# KiCad board atari.kicad_pcb
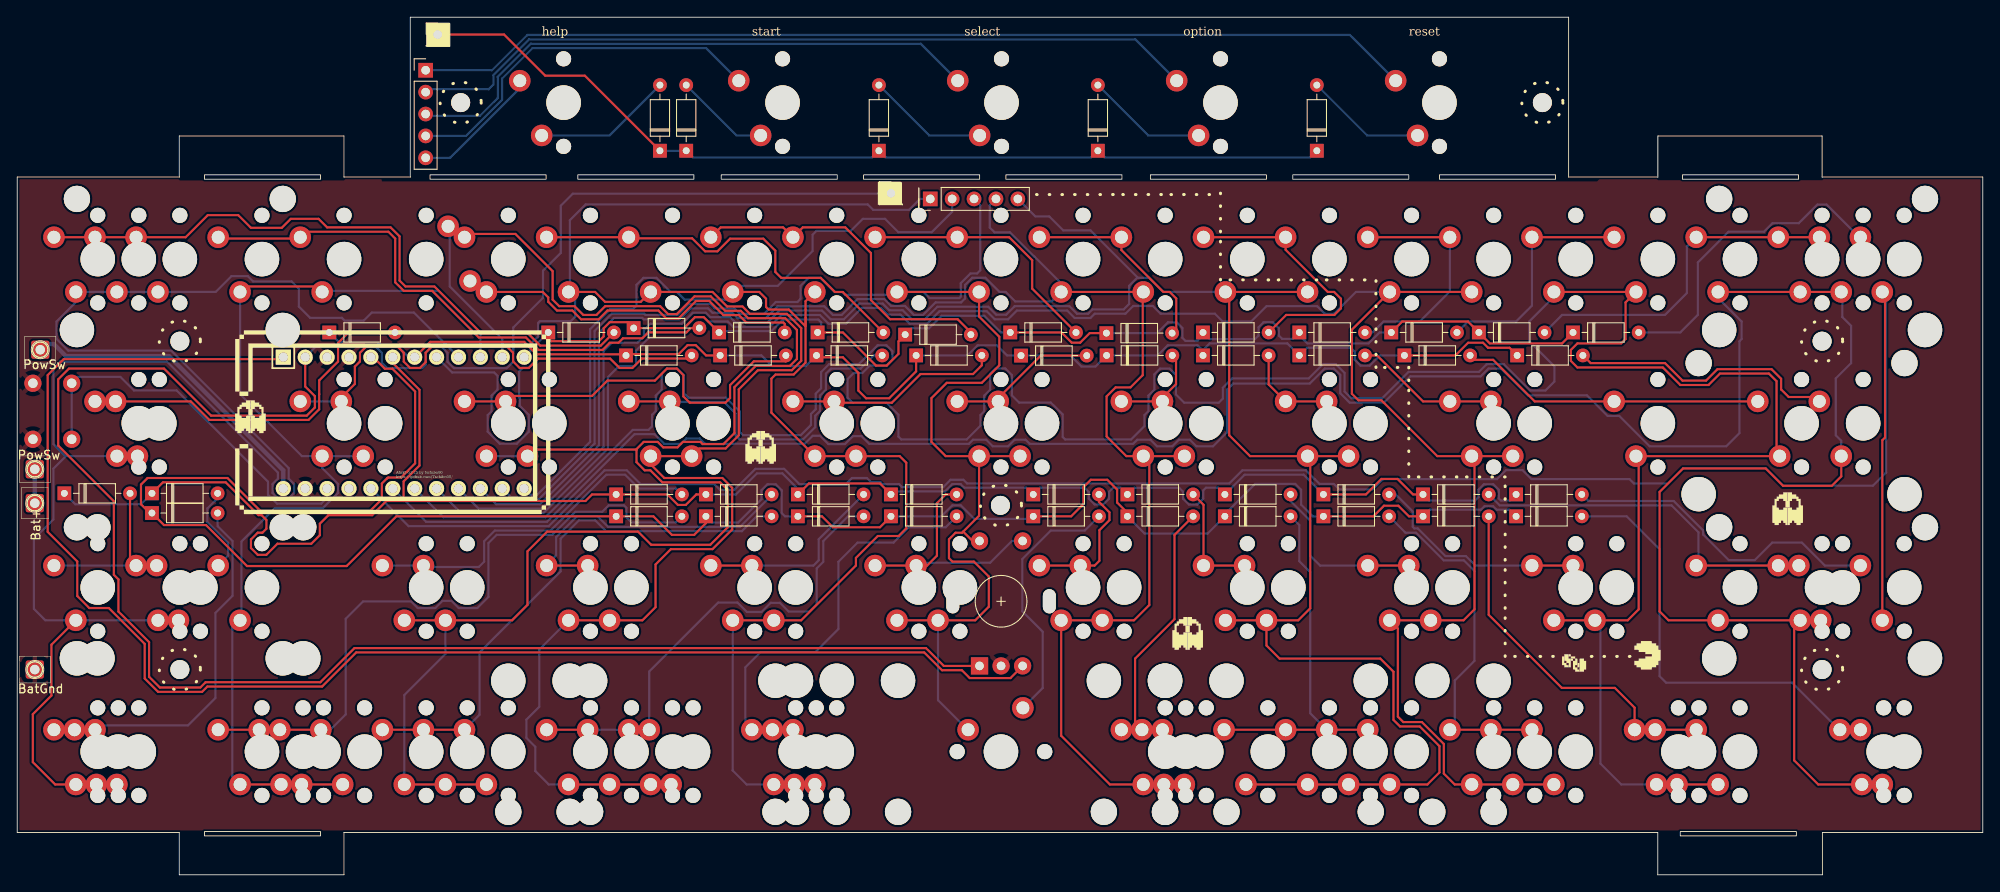
[diagram p0: board, top side]
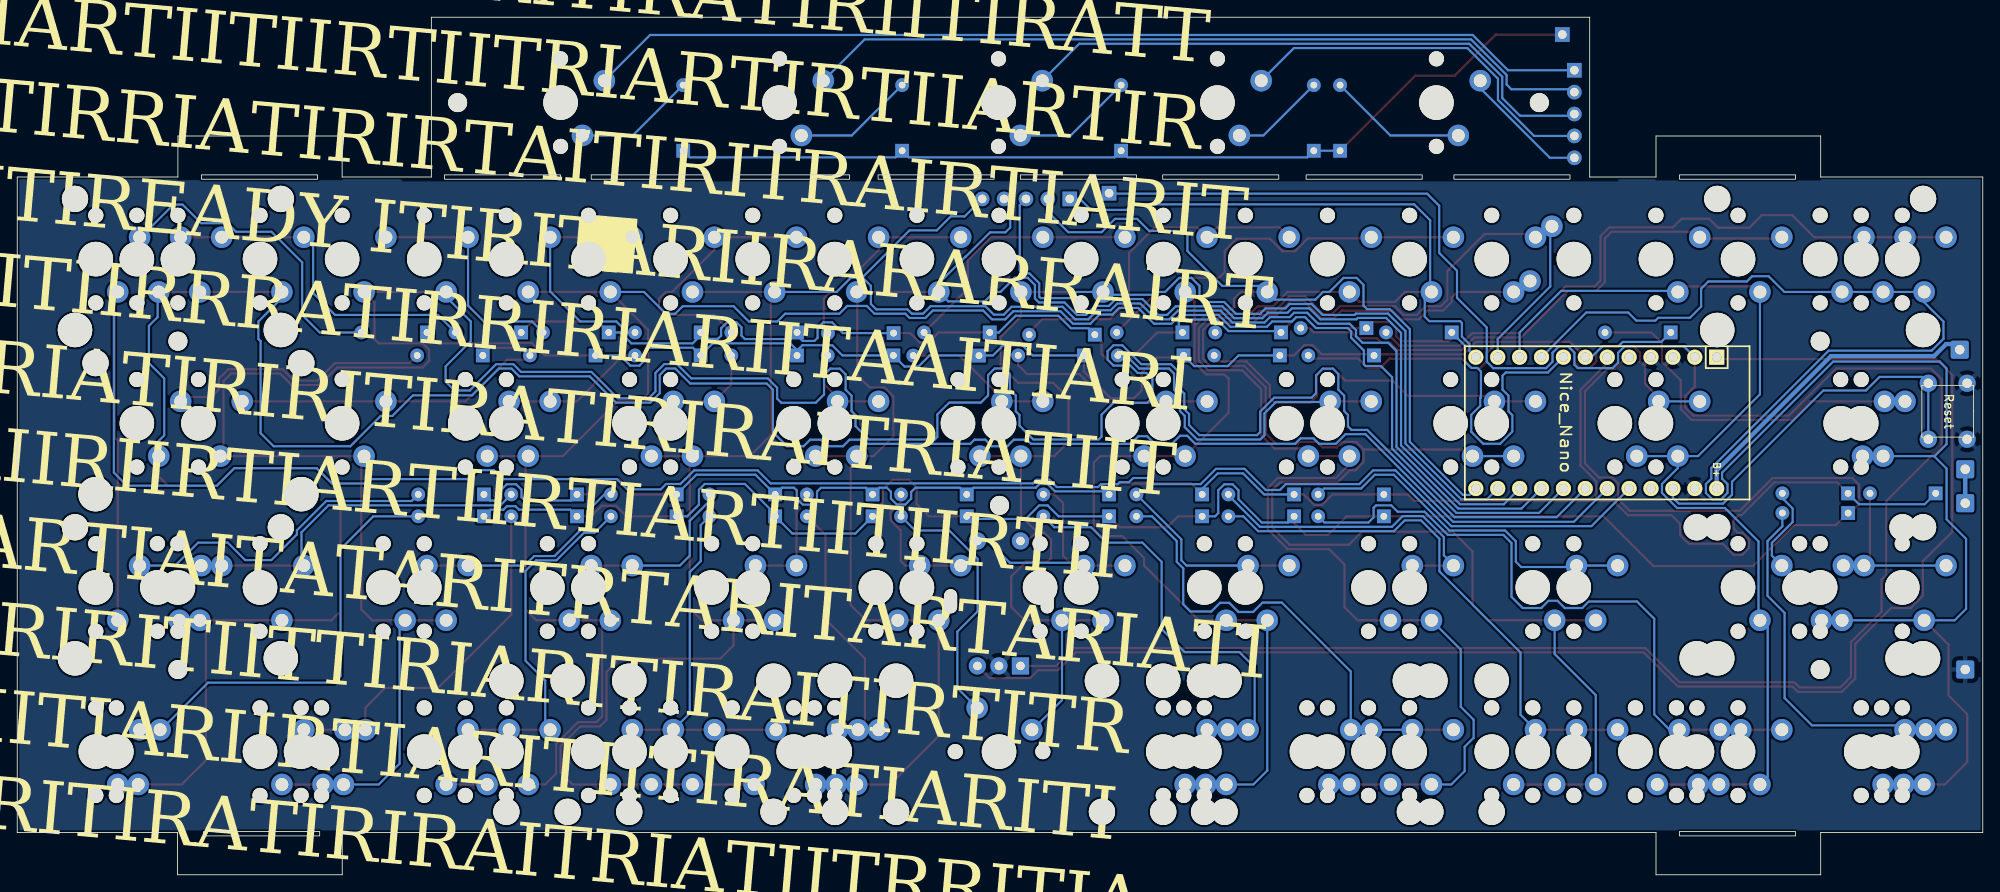
[diagram p1: board, bottom side, seen from below]

Outline 228 x 99.5 mm; copper layers: Top, Bottom. Coordinates in mm from the lower left corner of the outline.
Outline path: 21.72,81.22 35.18,81.22 35.18,80.71 21.72,80.71 closed ; 21.72,5.02 35.18,5.02 35.18,4.51 21.72,4.51 closed ; 47.88,81.22 61.34,81.22 61.34,80.71 47.88,80.71 closed ; 65.03,81.22 78.49,81.22 78.49,80.71 65.03,80.71 closed ; 81.66,81.22 95.13,81.22 95.13,80.71 81.66,80.71 closed ; 98.17,81.22 111.64,81.22 111.64,80.71 98.17,80.71 closed ; 114.68,81.22 128.15,81.22 128.15,80.71 114.68,80.71 closed ; 131.45,81.22 144.91,81.22 144.91,80.71 131.45,80.71 closed ; 147.96,81.22 161.42,81.22 161.42,80.71 147.96,80.71 closed ; 164.98,81.22 178.44,81.22 178.44,80.71 164.98,80.71 closed ; 192.92,5.02 206.38,5.02 206.38,4.51 192.92,4.51 closed ; 193.17,81.22 206.63,81.22 206.63,80.71 193.17,80.71 closed ; 0,4.91 0,80.96 18.8,80.96 18.8,85.73 37.9,85.73 37.9,80.96 45.6,80.96 45.6,99.5 179.96,99.5 179.96,80.96 190.31,80.96 190.31,85.73 209.36,85.73 209.36,80.96 228,80.96 228,4.91 209.4,4.91 209.4,0 190.3,0 190.3,4.91 37.9,4.91 37.9,0 18.8,0 18.8,4.91 0,4.91
Stack: Top 0.035mm / dielectric 1.51mm FR4 er 4.5 / Bottom 0.035mm

## Placement (name value [footprint] x y rotation side)
Bat+  MountingHole_Pad  [SolderWire-0.5sqmm_1x01_D0.9mm_OD2.1mm]  2.04 43.12 90 top
BatGnd  MountingHole_Pad  [SolderWire-0.5sqmm_1x01_D0.9mm_OD2.1mm]  2.04 23.81 0 top
D1_1  Diode  [Diode_DO-35]  61.6 62.93 0 top
D1_2  Diode  [Diode_DO-35]  71.5 63.44 0 top
D1_3  Diode  [Diode_DO-35]  81.41 62.93 0 top
D1_4  Diode  [Diode_DO-35]  92.84 62.93 0 top
D1_5  Diode  [Diode_DO-35]  103 62.67 0 top
D1_6  Diode  [Diode_DO-35]  115.19 62.93 0 top
D1_7  Diode  [Diode_DO-35]  126.34 62.85 0 top
D1_8  Diode  [Diode_DO-35]  137.54 62.93 0 top
D1_9  Diode  [Diode_DO-35]  148.72 62.93 0 top
D1_10  Diode  [Diode_DO-35]  159.39 62.93 0 top
D1_11  Diode  [Diode_DO-35]  169.55 62.93 0 top
D1_12  Diode  [Diode_DO-35]  180.47 62.93 0 top
D2_1  Diode  [Diode_DO-35]  36.2 62.93 0 top
D2_2  Diode  [Diode_DO-35]  70.61 60.26 0 top
D2_3  Diode  [Diode_DO-35]  81.54 60.26 0 top
D2_4  Diode  [Diode_DO-35]  92.71 60.26 0 top
D2_5  Diode  [Diode_DO-35]  104.27 60.26 0 top
D2_6  Diode  [Diode_DO-35]  116.44 60.24 0 top
D2_7  Diode  [Diode_DO-35]  126.37 60.26 0 top
D2_8  Diode  [Diode_DO-35]  137.54 60.26 0 top
D2_9  Diode  [Diode_DO-35]  148.72 60.26 0 top
D2_10  Diode  [Diode_DO-35]  160.91 60.26 0 top
D2_11  Diode  [Diode_DO-35]  173.99 60.26 0 top
D3_1  Diode  [Diode_DO-35]  5.46 44.26 0 top
D3_2  Diode  [Diode_DO-35]  15.62 44.26 0 top
D3_3  Diode  [Diode_DO-35]  69.47 44.13 0 top
D3_4  Diode  [Diode_DO-35]  79.89 44.13 0 top
D3_5  Diode  [Diode_DO-35]  90.55 44.13 0 top
D3_6  Diode  [Diode_DO-35]  101.35 44.13 0 top
D3_7  Diode  [Diode_DO-35]  117.86 44.13 0 top
D3_8  Diode  [Diode_DO-35]  128.78 44.13 0 top
D3_9  Diode  [Diode_DO-35]  140.08 44.13 0 top
D3_10  Diode  [Diode_DO-35]  151.51 44.13 0 top
D3_11  Diode  [Diode_DO-35]  163.07 44.13 0 top
D3_12  Diode  [Diode_DO-35]  173.87 44.13 0 top
D4_1  Diode  [Diode_DO-35]  15.62 41.97 0 top
D4_2  Diode  [Diode_DO-35]  69.47 41.59 0 top
D4_3  Diode  [Diode_DO-35]  79.89 41.59 0 top
D4_4  Diode  [Diode_DO-35]  90.55 41.59 0 top
D4_5  Diode  [Diode_DO-35]  101.35 41.59 0 top
D4_6  Diode  [Diode_DO-35]  117.86 41.59 0 top
D4_7  Diode  [Diode_DO-35]  128.78 41.59 0 top
D4_8  Diode  [Diode_DO-35]  140.08 41.59 0 top
D4_9  Diode  [Diode_DO-35]  151.51 41.59 0 top
D4_10  Diode  [Diode_DO-35]  163.07 41.59 0 top
D4_11  Diode  [Diode_DO-35]  173.87 41.59 0 top
D5_1  Diode  [Diode_DO-35]  74.55 84.01 90 top
D5_2  Diode  [Diode_DO-35]  77.6 84.01 90 top
D5_3  Diode  [Diode_DO-35]  99.95 84.01 90 top
D5_4  Diode  [Diode_DO-35]  125.35 84.01 90 top
D5_5  Diode  [Diode_DO-35]  150.75 84.01 90 top
J1  function_key_conn  [PinHeader_1x05_P2.54mm_Vertical]  105.91 78.42 90 top
J2  Conn_01x01_Pin  [PinHeader_1x01_P2.54mm_Vertical]  101.35 79.08 0 top
J3  function_key_conn  [PinHeader_1x05_P2.54mm_Vertical]  47.37 93.35 0 top
J4  Conn_01x01_Pin  [PinHeader_1x01_P2.54mm_Vertical]  48.77 97.5 0 top
PowSw  MountingHole_Pad  [SolderWire-0.5sqmm_1x01_D0.9mm_OD2.1mm]  2.67 60.92 0 top
PowSw#2  MountingHole_Pad  [SolderWire-0.5sqmm_1x01_D0.9mm_OD2.1mm]  2.04 47.05 0 top
REF**  -  [MountingHole_2.2mm_M2_DIN965]  209.36 23.81 0 top
REF**#2  -  [MountingHole_2.2mm_M2_DIN965]  18.86 61.91 0 top
REF**#3  -  [Stabilizer_MX_2.00u]  18.86 71.44 0 top
REF**#4  -  [Stabilizer_MX_2.00u]  21.24 33.34 0 top
REF**#5  -  [Stabilizer_MX_3.00u]  76.01 14.29 180 top
REF**#6  -  [MountingHole_2.2mm_M2_DIN965]  51.44 89.6 0 top
REF**#7  -  [Stabilizer_MX_2.00u]  152.21 14.29 180 top
REF**#8  -  [Stabilizer_MX_2.00u]  114.11 14.29 180 top
REF**#9  -  [Stabilizer_MX_2.00u]  76.01 14.29 180 top
REF**#10  -  [MountingHole_2.2mm_M2_DIN965]  114.05 42.86 0 top
REF**#11  -  [Stabilizer_MX_2.00u]  209.36 71.44 0 top
REF**#12  -  [MountingHole_2.2mm_M2_DIN965]  209.36 61.91 0 top
REF**#13  -  [Stabilizer_MX_2.00u]  145.07 14.29 180 top
REF**#14  -  [Stabilizer_MX_2.00u]  18.86 33.34 0 top
REF**#15  -  [Stabilizer_MX_3.00u]  152.21 14.29 180 top
REF**#16  -  [Stabilizer_MX_2.00u]  206.98 52.39 0 top
REF**#17  -  [Stabilizer_MX_2.00u]  78.39 14.29 180 top
REF**#18  -  [MountingHole_2.2mm_M2_DIN965]  18.86 23.81 0 top
REF**#19  -  [MountingHole_2.2mm_M2_DIN965]  176.91 89.6 0 top
REF**#20  -  [Stabilizer_MX_2.00u]  209.36 33.34 0 top
Reset  SW_Push  [SW_PUSH_6mm_H4.3mm]  1.82 57.03 270 bottom
S1_1  1u  [MX_PCB_1.00u]  9.34 71.44 90 top
S1_1a1  2u  [MX_PCB_2.00u_90deg]  18.86 71.44 90 top
S1_1b1  1.5u  [MX_PCB_1.50u_90deg]  14.1 71.44 90 top
S1_2  1u  [MX_PCB_1.00u]  28.39 71.44 90 top
S1_2b1  1u  [MX_PCB_1.00u]  37.91 71.44 90 top
S1_3  1u  [MX_PCB_1.00u]  47.44 71.44 270 top
S1_3b1  1u  [MX_PCB_1.00u]  56.96 71.44 90 top
S1_4  1u  [MX_PCB_1.00u]  66.49 71.44 90 top
S1_4b1  1u  [MX_PCB_1.00u]  76.01 71.44 90 top
S1_5  1u  [MX_PCB_1.00u]  85.54 71.44 90 top
S1_5b1  1u  [MX_PCB_1.00u]  95.06 71.44 90 top
S1_6  1u  [MX_PCB_1.00u]  104.59 71.44 90 top
S1_6b1  1u  [MX_PCB_1.00u]  114.11 71.44 90 top
S1_7  1u  [MX_PCB_1.00u]  123.64 71.44 90 top
S1_7b1  1u  [MX_PCB_1.00u]  133.16 71.44 90 top
S1_8  1u  [MX_PCB_1.00u]  142.69 71.44 90 top
S1_8b1  1u  [MX_PCB_1.00u]  152.21 71.44 90 top
S1_9  1u  [MX_PCB_1.00u]  161.74 71.44 90 top
S1_9b1  1u  [MX_PCB_1.00u]  171.26 71.44 90 top
S1_10  1u  [MX_PCB_1.00u]  180.79 71.44 90 top
S1_10b1  1u  [MX_PCB_1.00u]  190.31 71.44 90 top
S1_11  1u  [MX_PCB_1.00u]  199.84 71.44 90 top
S1_11a1  2u  [MX_PCB_2.00u_90deg]  209.36 71.44 90 top
S1_11b1  1.5u  [MX_PCB_1.50u_90deg]  214.12 71.44 90 top
S1_12  1u  [MX_PCB_1.00u]  218.89 71.44 90 top
S2_1  1.5u  [MX_PCB_1.50u_90deg]  14.1 52.39 90 top
S2_1b1  1.75u  [MX_PCB_1.75u_90deg]  16.48 52.39 90 top
S2_2  1u  [MX_PCB_1.00u]  37.91 52.39 90 top
S2_2b1  1u  [MX_PCB_1.00u]  42.67 52.39 90 top
S2_3  1u  [MX_PCB_1.00u]  56.96 52.39 90 top
S2_3b1  1u  [MX_PCB_1.00u]  61.72 52.39 90 top
S2_4  1u  [MX_PCB_1.00u]  76.01 52.39 90 top
S2_4b1  1u  [MX_PCB_1.00u]  80.78 52.39 90 top
S2_5  1u  [MX_PCB_1.00u]  95.06 52.39 90 top
S2_5b1  1u  [MX_PCB_1.00u]  99.83 52.39 90 top
S2_6  1u  [MX_PCB_1.00u]  114.11 52.39 90 top
S2_6b1  1u  [MX_PCB_1.00u]  118.88 52.39 90 top
S2_7  1u  [MX_PCB_1.00u]  133.16 52.39 90 top
S2_7b1  1u  [MX_PCB_1.00u]  137.93 52.39 90 top
S2_8  1u  [MX_PCB_1.00u]  152.21 52.39 90 top
S2_8b1  1u  [MX_PCB_1.00u]  156.97 52.39 90 top
S2_9  1u  [MX_PCB_1.00u]  171.26 52.39 90 top
S2_9b1  1u  [MX_PCB_1.00u]  176.03 52.39 90 top
S2_10  1u  [MX_PCB_1.00u]  190.31 52.39 90 top
S2_10b1  2.25u  [MX_PCB_2.25u_90deg]  206.98 52.39 90 top
S2_11  1.5u  [MX_PCB_1.50u_90deg]  214.12 52.39 90 top
S3_1  1u  [MX_PCB_1.00u]  9.34 33.34 90 top
S3_1a1  2u  [MX_PCB_2.00u_90deg]  18.86 33.34 90 top
S3_1b1  2.25u  [MX_PCB_2.25u_90deg]  21.24 33.34 90 top
S3_2  1u  [MX_PCB_1.00u]  28.39 33.34 90 top
S3_3  1u  [MX_PCB_1.00u]  47.44 33.34 90 top
S3_3b1  1u  [MX_PCB_1.00u]  52.2 33.34 90 top
S3_4  1u  [MX_PCB_1.00u]  66.49 33.34 90 top
S3_4b1  1u  [MX_PCB_1.00u]  71.25 33.34 90 top
S3_5  1u  [MX_PCB_1.00u]  85.54 33.34 90 top
S3_5b1  1u  [MX_PCB_1.00u]  90.3 33.34 90 top
S3_6  1u  [MX_PCB_1.00u]  104.59 33.34 90 top
S3_6b1  1u  [MX_PCB_1.00u]  109.35 33.34 90 top
S3_7  1u  [MX_PCB_1.00u]  123.64 33.34 90 top
S3_7b1  1u  [MX_PCB_1.00u]  128.4 33.34 90 top
S3_8  1u  [MX_PCB_1.00u]  142.69 33.34 90 top
S3_8b1  1u  [MX_PCB_1.00u]  147.45 33.34 90 top
S3_9  1u  [MX_PCB_1.00u]  161.74 33.34 90 top
S3_9b1  1u  [MX_PCB_1.00u]  166.5 33.34 90 top
S3_10  1u  [MX_PCB_1.00u]  180.79 33.34 90 top
S3_10b1  1u  [MX_PCB_1.00u]  185.55 33.34 90 top
S3_11  1u  [MX_PCB_1.00u]  199.84 33.34 90 top
S3_11a1  2u  [MX_PCB_2.00u_90deg]  209.36 33.34 90 top
S3_11b1  1.75u  [MX_PCB_1.75u_90deg]  211.74 33.34 90 top
S3_12  1u  [MX_PCB_1.00u]  218.89 33.34 90 top
S4_1  1u  [MX_PCB_1.00u]  9.34 14.29 90 top
S4_1a1  1.25u  [MX_PCB_1.25u_90deg]  11.72 14.29 90 top
S4_1c1  1.5u  [MX_PCB_1.50u_90deg]  14.1 14.29 90 top
S4_2  1u  [MX_PCB_1.00u]  28.39 14.29 90 top
S4_2a1  1u  [MX_PCB_1.00u]  33.15 14.29 90 top
S4_2b1  1.25u  [MX_PCB_1.25u_90deg]  35.53 14.29 90 top
S4_2c1  1.25u  [MX_PCB_1.25u_90deg]  40.29 14.29 90 top
S4_3  1u  [MX_PCB_1.00u]  47.44 14.29 90 top
S4_3a1  1u  [MX_PCB_1.00u]  52.2 14.29 90 top
S4_3b1  1u  [MX_PCB_1.00u]  56.96 14.29 90 top
S4_4  1u  [MX_PCB_1.00u]  66.49 14.29 90 top
S4_4a1  1u  [MX_PCB_1.00u]  71.25 14.29 90 top
S4_4c1  2.75u  [MX_PCB_2.75u_90deg]  78.39 14.29 90 top
S4_4d1  2u  [MX_PCB_2.00u_90deg]  76.01 14.29 90 top
S4_5  1.5u  [MX_PCB_1.50u_90deg]  90.3 14.29 90 top
S4_5a1  1.25u  [MX_PCB_1.25u_90deg]  92.68 14.29 90 top
S4_5b1  1u  [MX_PCB_1.00u]  95.06 14.29 90 top
S4_6  1u  [MX_PCB_1.00u]  114.11 14.29 0 top
S4_7  1.5u  [MX_PCB_1.50u_90deg]  137.93 14.29 90 top
S4_7a1  1.25u  [MX_PCB_1.25u_90deg]  135.54 14.29 90 top
S4_7b1  1u  [MX_PCB_1.00u]  133.16 14.29 90 top
S4_8  1u  [MX_PCB_1.00u]  161.74 14.29 90 top
S4_8a1  1u  [MX_PCB_1.00u]  156.97 14.29 90 top
S4_8b1  1u  [MX_PCB_1.00u]  152.21 14.29 90 top
S4_8c1  2.25u  [MX_PCB_2.25u_90deg]  145.07 14.29 90 top
S4_9  1u  [MX_PCB_1.00u]  180.79 14.29 90 top
S4_9a1  1u  [MX_PCB_1.00u]  176.03 14.29 90 top
S4_9b1  1u  [MX_PCB_1.00u]  171.26 14.29 90 top
S4_10  1u  [MX_PCB_1.00u]  199.84 14.29 90 top
S4_10a1  1u  [MX_PCB_1.00u]  195.07 14.29 90 top
S4_10b1  1.25u  [MX_PCB_1.25u_90deg]  192.69 14.29 90 top
S4_11  1u  [MX_PCB_1.00u]  218.89 14.29 90 top
S4_11a1  1.25u  [MX_PCB_1.25u_90deg]  216.51 14.29 90 top
S5_1help1  1u  [MX_PCB_1.00u]  63.38 89.6 90 top
S5_2start1  1u  [MX_PCB_1.00u]  88.78 89.6 90 top
S5_3select1  1u  [MX_PCB_1.00u]  114.18 89.6 90 top
S5_4option1  1u  [MX_PCB_1.00u]  139.58 89.6 90 top
S5_5reset1  1u  [MX_PCB_1.00u]  164.98 89.6 90 top
SW1  RotaryEncoder_Switch  [RotaryEncoder_Alps_EC11E-Switch_Vertical_H20mm]  111.63 24.23 90 top
U1  Nice_Nano  [Nice_Nano_V2]  44.83 52.44 270 bottom

## Library data of the parts
Bat+ BatGnd PowSw PowSw#2 = -: Description: Mounting Hole with connection
D1_1 D1_4-D1_6 D1_9 D1_11 D1_12 D2_1-D2_4 D3_1 D3_5 D3_8-D3_11 D4_4 D4_6 D4_8 D4_9 D4_11 = -: Description: 1N4148 (DO-35) or 1N4148W (SOD-123); Sim.Device: D; Sim.Pins: 1=K 2=A; Field6: K; Field7: K
D1_2 D1_3 D1_7 D1_8 D1_10 D2_5-D2_11 D3_2-D3_4 D3_6 D3_7 D3_12 D4_1-D4_3 D4_5 D4_7 D4_10 = -: Description: 1N4148 (DO-35) or 1N4148W (SOD-123); Sim.Device: D; Sim.Pins: 1=K 2=A; Field6: K; Field8: K
D5_1-D5_5 = -: Description: 1N4148 (DO-35) or 1N4148W (SOD-123); Sim.Device: D; Sim.Pins: 1=K 2=A; Field6: K
J1 J3 = -: Description: Generic connector, single row, 01x05, script generated
J2 J4 = -: Description: Generic connector, single row, 01x01, script generated
Reset = -: Description: Push button switch, generic, two pins
S1_1 S1_1a1 S1_1b1 S1_2 S1_2b1 S1_3 S1_3b1 S1_4 S1_4b1 S1_5 S1_5b1 S1_6 S1_6b1 S1_7 S1_7b1 S1_8 S1_8b1 S1_9 S1_9b1 S1_10 S1_10b1 S1_11 S1_11a1 S1_11b1 S1_12 S2_1 S2_1b1 S2_2 S2_2b1 S2_3 S2_3b1 S2_4 S2_4b1 S2_5 S2_5b1 S2_6 S2_6b1 S2_7 S2_7b1 S2_8 S2_8b1 S2_9 S2_9b1 S2_10 S2_10b1 S2_11 S3_1 S3_1a1 S3_1b1 S3_2 S3_3 S3_3b1 S3_4 S3_4b1 S3_5 S3_5b1 S3_6 S3_6b1 S3_7 S3_7b1 S3_8 S3_8b1 S3_9 S3_9b1 S3_10 S3_10b1 S3_11 S3_11a1 S3_11b1 S3_12 S4_1 S4_1a1 S4_1c1 S4_2 S4_2a1 S4_2b1 S4_2c1 S4_3 S4_3a1 S4_3b1 S4_4 S4_4a1 S4_4c1 S4_4d1 S4_5 S4_5a1 S4_5b1 S4_6 S4_7 S4_7a1 S4_7b1 S4_8 S4_8a1 S4_8b1 S4_8c1 S4_9 S4_9a1 S4_9b1 S4_10 S4_10a1 S4_10b1 S4_11 S4_11a1 S5_1help1 S5_2start1 S5_3select1 S5_4option1 S5_5reset1 = -: Description: Push button switch, normally open, two pins, 45° tilted
SW1 = -: Description: Rotary encoder, dual channel, incremental quadrate outputs, with switch
U1 = -: Field4: D14; Field5: D4; Field6: D20; Field7: GND; Field8: D9; Field9: D7; Field10: D10; Field11: D1; Field12: D16; Field13: GND; Field14: D8; Field15: D15; Field16: D21; Field17: D0; Field18: RST; Field19: D5; Field20: 3.3v; Field21: D2; Field22: D18; Field23: D19; Field24: D6; Field25: GND; Field26: D3; Field27: RST; Field28: D19; Field29: D16; Field30: D18; Field31: B+; Field32: D6; Field33: GND; Field34: D10; Field35: GND; Field36: D15; Field37: D9; Field38: D21; Field39: D1; Field40: D7; Field41: 3.3v; Field42: GND; Field43: D5; Field44: D14; Field45: D7; Field46: GND; Field47: D0; Field48: D20; Field49: D4; Field50: D3; Field51: D2; Field52: D8

## Footprints (pads in the part's own frame, mm; a bottom-side part is the same pattern mirrored in y, then rotated)
Diode_DO-35
  rect 1.6x1.6 hole 0.8: 1(0,0)
  oval 1.6x1.6 hole 0.8: 2(7.62,0)
MountingHole_2.2mm_M2_DIN965
  round 2.2 hole 2.2 unplated: (0,0)
MX_PCB_1.00u
  round 1.75 hole 1.75 unplated: (-5.08,0) (5.08,0)
  round 4 hole 4 unplated: (0,0)
  round 2.5 hole 1.5: 1(-3.81,2.54) 2(2.54,5.08)
MX_PCB_1.25u_90deg
  round 1.75 hole 1.75 unplated: (-5.08,0) (5.08,0)
  round 4 hole 4 unplated: (0,0)
  round 2.5 hole 1.5: 1(-3.81,2.54) 2(2.54,5.08)
MX_PCB_1.50u_90deg
  round 1.75 hole 1.75 unplated: (-5.08,0) (5.08,0)
  round 4 hole 4 unplated: (0,0)
  round 2.5 hole 1.5: 1(-3.81,2.54) 2(2.54,5.08)
MX_PCB_1.75u_90deg
  round 1.75 hole 1.75 unplated: (-5.08,0) (5.08,0)
  round 4 hole 4 unplated: (0,0)
  round 2.5 hole 1.5: 1(-3.81,2.54) 2(2.54,5.08)
MX_PCB_2.00u_90deg
  round 1.75 hole 1.75 unplated: (-5.08,0) (5.08,0)
  round 4 hole 4 unplated: (0,0)
  round 2.5 hole 1.5: 1(-3.81,2.54) 2(2.54,5.08)
MX_PCB_2.25u_90deg
  round 1.75 hole 1.75 unplated: (-5.08,0) (5.08,0)
  round 4 hole 4 unplated: (0,0)
  round 2.5 hole 1.5: 1(-3.81,2.54) 2(2.54,5.08)
MX_PCB_2.75u_90deg
  round 1.75 hole 1.75 unplated: (-5.08,0) (5.08,0)
  round 4 hole 4 unplated: (0,0)
  round 2.5 hole 1.5: 1(-3.81,2.54) 2(2.54,5.08)
Nice_Nano_V2
  rect 1.753x1.753 hole 1.092: 1(-7.62,13.97)
  round 1.753 hole 1.092: 2(-7.62,11.43) 3(-7.62,8.89) 4(-7.62,6.35) 5(-7.62,3.81) 6(-7.62,1.27) 7(-7.62,-1.27) 8(-7.62,-3.81) 9(-7.62,-6.35) 10(-7.62,-8.89) 11(-7.62,-11.43) 12(-7.62,-13.97) 13(7.62,-13.97) 14(7.62,-11.43) 15(7.62,-8.89) 16(7.62,-6.35) 17(7.62,-3.81) 18(7.62,-1.27) 19(7.62,1.27) 20(7.62,3.81) 21(7.62,6.35) 22(7.62,8.89) 23(7.62,11.43) 24(7.62,13.97)
PinHeader_1x01_P2.54mm_Vertical
  rect 1.7x1.7 hole 1: 1(0,0)
PinHeader_1x05_P2.54mm_Vertical
  rect 1.7x1.7 hole 1: 1(0,0)
  oval 1.7x1.7 hole 1: 2(0,-2.54) 3(0,-5.08) 4(0,-7.62) 5(0,-10.16)
RotaryEncoder_Alps_EC11E-Switch_Vertical_H20mm
  rect 3.2x2 hole 2.8x1.5 unplated: (7.5,3.1) (7.5,-8.1)
  rect 2x2 hole 1: A(0,0)
  round 2 hole 1: B(0,-5) C(0,-2.5) S1(14.5,-5) S2(14.5,0)
SolderWire-0.5sqmm_1x01_D0.9mm_OD2.1mm
  rrect 2.1x2.1 hole 1.1: 1(0,0)
Stabilizer_MX_2.00u
  round 3.048 hole 3.048 unplated: (-11.938,6.985) (11.938,6.985)
  round 3.988 hole 3.988 unplated: (-11.938,-8.225) (11.938,-8.225)
Stabilizer_MX_3.00u
  round 3.048 hole 3.048 unplated: (-19.05,6.985) (19.05,6.985)
  round 3.988 hole 3.988 unplated: (-19.05,-8.225) (19.05,-8.225)
SW_PUSH_6mm_H4.3mm
  round 2 hole 1.1: 1(0,0) 1(6.5,0) 2(0,-4.5) 2(6.5,-4.5)

## Nets
gnd: BatGnd.1 Reset.1 SW1.C U1.3 U1.4 U1.23
BT+: Bat+.1 PowSw#2.1
c1: S1_1.1 S1_1a1.1 S1_1b1.1 S2_1.1 S2_1b1.1 S3_1.1 S3_1a1.1 S3_1b1.1 S4_1.1 S4_1a1.1 S4_1c1.1 U1.9
c2: S1_2.1 S1_2b1.1 S2_2.1 S2_2b1.1 S3_2.1 S4_2.1 S4_2a1.1 S4_2b1.1 S4_2c1.1 U1.10
c3: S1_3.1 S1_3b1.2 S2_3.1 S2_3b1.1 S3_3.1 S3_3b1.1 S4_3.1 S4_3a1.1 S4_3b1.1 U1.11
c4: J1.1 S1_4.1 S1_4b1.1 S2_4.1 S2_4b1.1 S3_4.1 S3_4b1.1 S4_4.1 S4_4a1.1 S4_4c1.1 S4_4d1.1 U1.12
c5: J1.2 S1_5.1 S1_5b1.1 S2_5.1 S2_5b1.1 S3_5.1 S3_5b1.1 S4_5.1 S4_5a1.1 S4_5b1.1 U1.13
c6: J1.3 S1_6.1 S1_6b1.1 S2_6.1 S2_6b1.1 S3_6.1 S3_6b1.1 S4_6.1 SW1.S2 U1.14
c7: J1.4 S1_7.1 S1_7b1.1 S2_7.1 S2_7b1.1 S3_7.1 S3_7b1.1 S4_7.1 S4_7a1.1 S4_7b1.1 U1.15
c8: J1.5 S1_8.1 S1_8b1.1 S2_8.1 S2_8b1.1 S3_8.1 S3_8b1.1 S4_8.1 S4_8a1.1 S4_8b1.1 S4_8c1.1 U1.16
c9: S1_9.1 S1_9b1.1 S2_9.1 S2_9b1.1 S3_9.1 S3_9b1.1 S4_9.1 S4_9a1.1 S4_9b1.1 U1.17
C10: S1_10.1 S1_10b1.1 S2_10.1 S2_10b1.1 S3_10.1 S3_10b1.1 S4_10.1 S4_10a1.1 S4_10b1.1 U1.18
c11: S1_11.1 S1_11a1.1 S1_11b1.1 S2_11.1 S3_11.1 S3_11a1.1 S3_11b1.1 S4_11.1 S4_11a1.1 U1.19
c12: S1_12.1 S3_12.1 U1.20
r1: D1_1.1 D1_2.1 D1_3.1 D1_4.1 D1_5.1 D1_6.1 D1_7.1 D1_8.1 D1_9.1 D1_10.1 D1_11.1 D1_12.1 U1.8
r2: D2_1.1 D2_2.1 D2_3.1 D2_4.1 D2_5.1 D2_6.1 D2_7.1 D2_8.1 D2_9.1 D2_10.1 D2_11.1 U1.7
r3: D3_1.1 D3_2.1 D3_3.1 D3_4.1 D3_5.1 D3_6.1 D3_7.1 D3_8.1 D3_9.1 D3_10.1 D3_11.1 D3_12.1 U1.6
r4: D4_1.1 D4_2.1 D4_3.1 D4_4.1 D4_5.1 D4_6.1 D4_7.1 D4_8.1 D4_9.1 D4_10.1 D4_11.1 U1.5
r5: J2.1 SW1.A U1.2
r6: SW1.B U1.1
raw: PowSw.1 U1.24
reset: Reset.2 U1.22
s36_1: D3_6.2 S3_6.2 S3_6b1.2 SW1.S1
Net-(D1_1-A): D1_1.2 S1_1.2 S1_1a1.2 S1_1b1.2
Net-(D1_2-A): D1_2.2 S1_2.2 S1_2b1.2
Net-(D1_3-A): D1_3.2 S1_3.2 S1_3b1.1
Net-(D1_4-A): D1_4.2 S1_4.2 S1_4b1.2
Net-(D1_5-A): D1_5.2 S1_5.2 S1_5b1.2
Net-(D1_6-A): D1_6.2 S1_6.2 S1_6b1.2
Net-(D1_7-A): D1_7.2 S1_7.2 S1_7b1.2
Net-(D1_8-A): D1_8.2 S1_8.2 S1_8b1.2
Net-(D1_9-A): D1_9.2 S1_9.2 S1_9b1.2
Net-(D1_10-A): D1_10.2 S1_10.2 S1_10b1.2
Net-(D1_11-A): D1_11.2 S1_11.2 S1_11a1.2 S1_11b1.2
Net-(D1_12-A): D1_12.2 S1_12.2
Net-(D2_1-A): D2_1.2 S2_1.2 S2_1b1.2
Net-(D2_2-A): D2_2.2 S2_2.2 S2_2b1.2
Net-(D2_3-A): D2_3.2 S2_3.2 S2_3b1.2
Net-(D2_4-A): D2_4.2 S2_4.2 S2_4b1.2
Net-(D2_5-A): D2_5.2 S2_5.2 S2_5b1.2
Net-(D2_6-A): D2_6.2 S2_6.2 S2_6b1.2
Net-(D2_7-A): D2_7.2 S2_7.2 S2_7b1.2
Net-(D2_8-A): D2_8.2 S2_8.2 S2_8b1.2
Net-(D2_9-A): D2_9.2 S2_9.2 S2_9b1.2
Net-(D2_10-A): D2_10.2 S2_10.2 S2_10b1.2
Net-(D2_11-A): D2_11.2 S2_11.2
Net-(D3_1-A): D3_1.2 S3_1.2 S3_1a1.2 S3_1b1.2
Net-(D3_2-A): D3_2.2 S3_2.2
Net-(D3_3-A): D3_3.2 S3_3.2 S3_3b1.2
Net-(D3_4-A): D3_4.2 S3_4.2 S3_4b1.2
Net-(D3_5-A): D3_5.2 S3_5.2 S3_5b1.2
Net-(D3_7-A): D3_7.2 S3_7.2 S3_7b1.2
Net-(D3_8-A): D3_8.2 S3_8.2 S3_8b1.2
Net-(D3_9-A): D3_9.2 S3_9.2 S3_9b1.2
Net-(D3_10-A): D3_10.2 S3_10.2 S3_10b1.2
Net-(D3_11-A): D3_11.2 S3_11.2 S3_11a1.2 S3_11b1.2
Net-(D3_12-A): D3_12.2 S3_12.2
Net-(D4_1-A): D4_1.2 S4_1.2 S4_1a1.2 S4_1c1.2
Net-(D4_2-A): D4_2.2 S4_2.2 S4_2a1.2 S4_2b1.2 S4_2c1.2
Net-(D4_3-A): D4_3.2 S4_3.2 S4_3a1.2 S4_3b1.2
Net-(D4_4-A): D4_4.2 S4_4.2 S4_4a1.2 S4_4c1.2 S4_4d1.2
Net-(D4_5-A): D4_5.2 S4_5.2 S4_5a1.2 S4_5b1.2
Net-(D4_6-A): D4_6.2 S4_6.2
Net-(D4_7-A): D4_7.2 S4_7.2 S4_7a1.2 S4_7b1.2
Net-(D4_8-A): D4_8.2 S4_8.2 S4_8a1.2 S4_8b1.2 S4_8c1.2
Net-(D4_9-A): D4_9.2 S4_9.2 S4_9a1.2 S4_9b1.2
Net-(D4_10-A): D4_10.2 S4_10.2 S4_10a1.2 S4_10b1.2
Net-(D4_11-A): D4_11.2 S4_11.2 S4_11a1.2
Net-(D5_1-A): D5_1.2 S5_1help1.1
Net-(D5_1-K): D5_1.1 D5_2.1 D5_3.1 D5_4.1 D5_5.1 J4.1
Net-(D5_2-A): D5_2.2 S5_2start1.1
Net-(D5_3-A): D5_3.2 S5_3select1.1
Net-(D5_4-A): D5_4.2 S5_4option1.1
Net-(D5_5-A): D5_5.2 S5_5reset1.1
Net-(J3-Pin_1): J3.1 S5_5reset1.2
Net-(J3-Pin_2): J3.2 S5_4option1.2
Net-(J3-Pin_3): J3.3 S5_3select1.2
Net-(J3-Pin_4): J3.4 S5_2start1.2
Net-(J3-Pin_5): J3.5 S5_1help1.2

Pads without a net: U1 21
